# Altium PCB REB215_XPRO_Extension.PcbDoc (part 4 of 5) (continued)
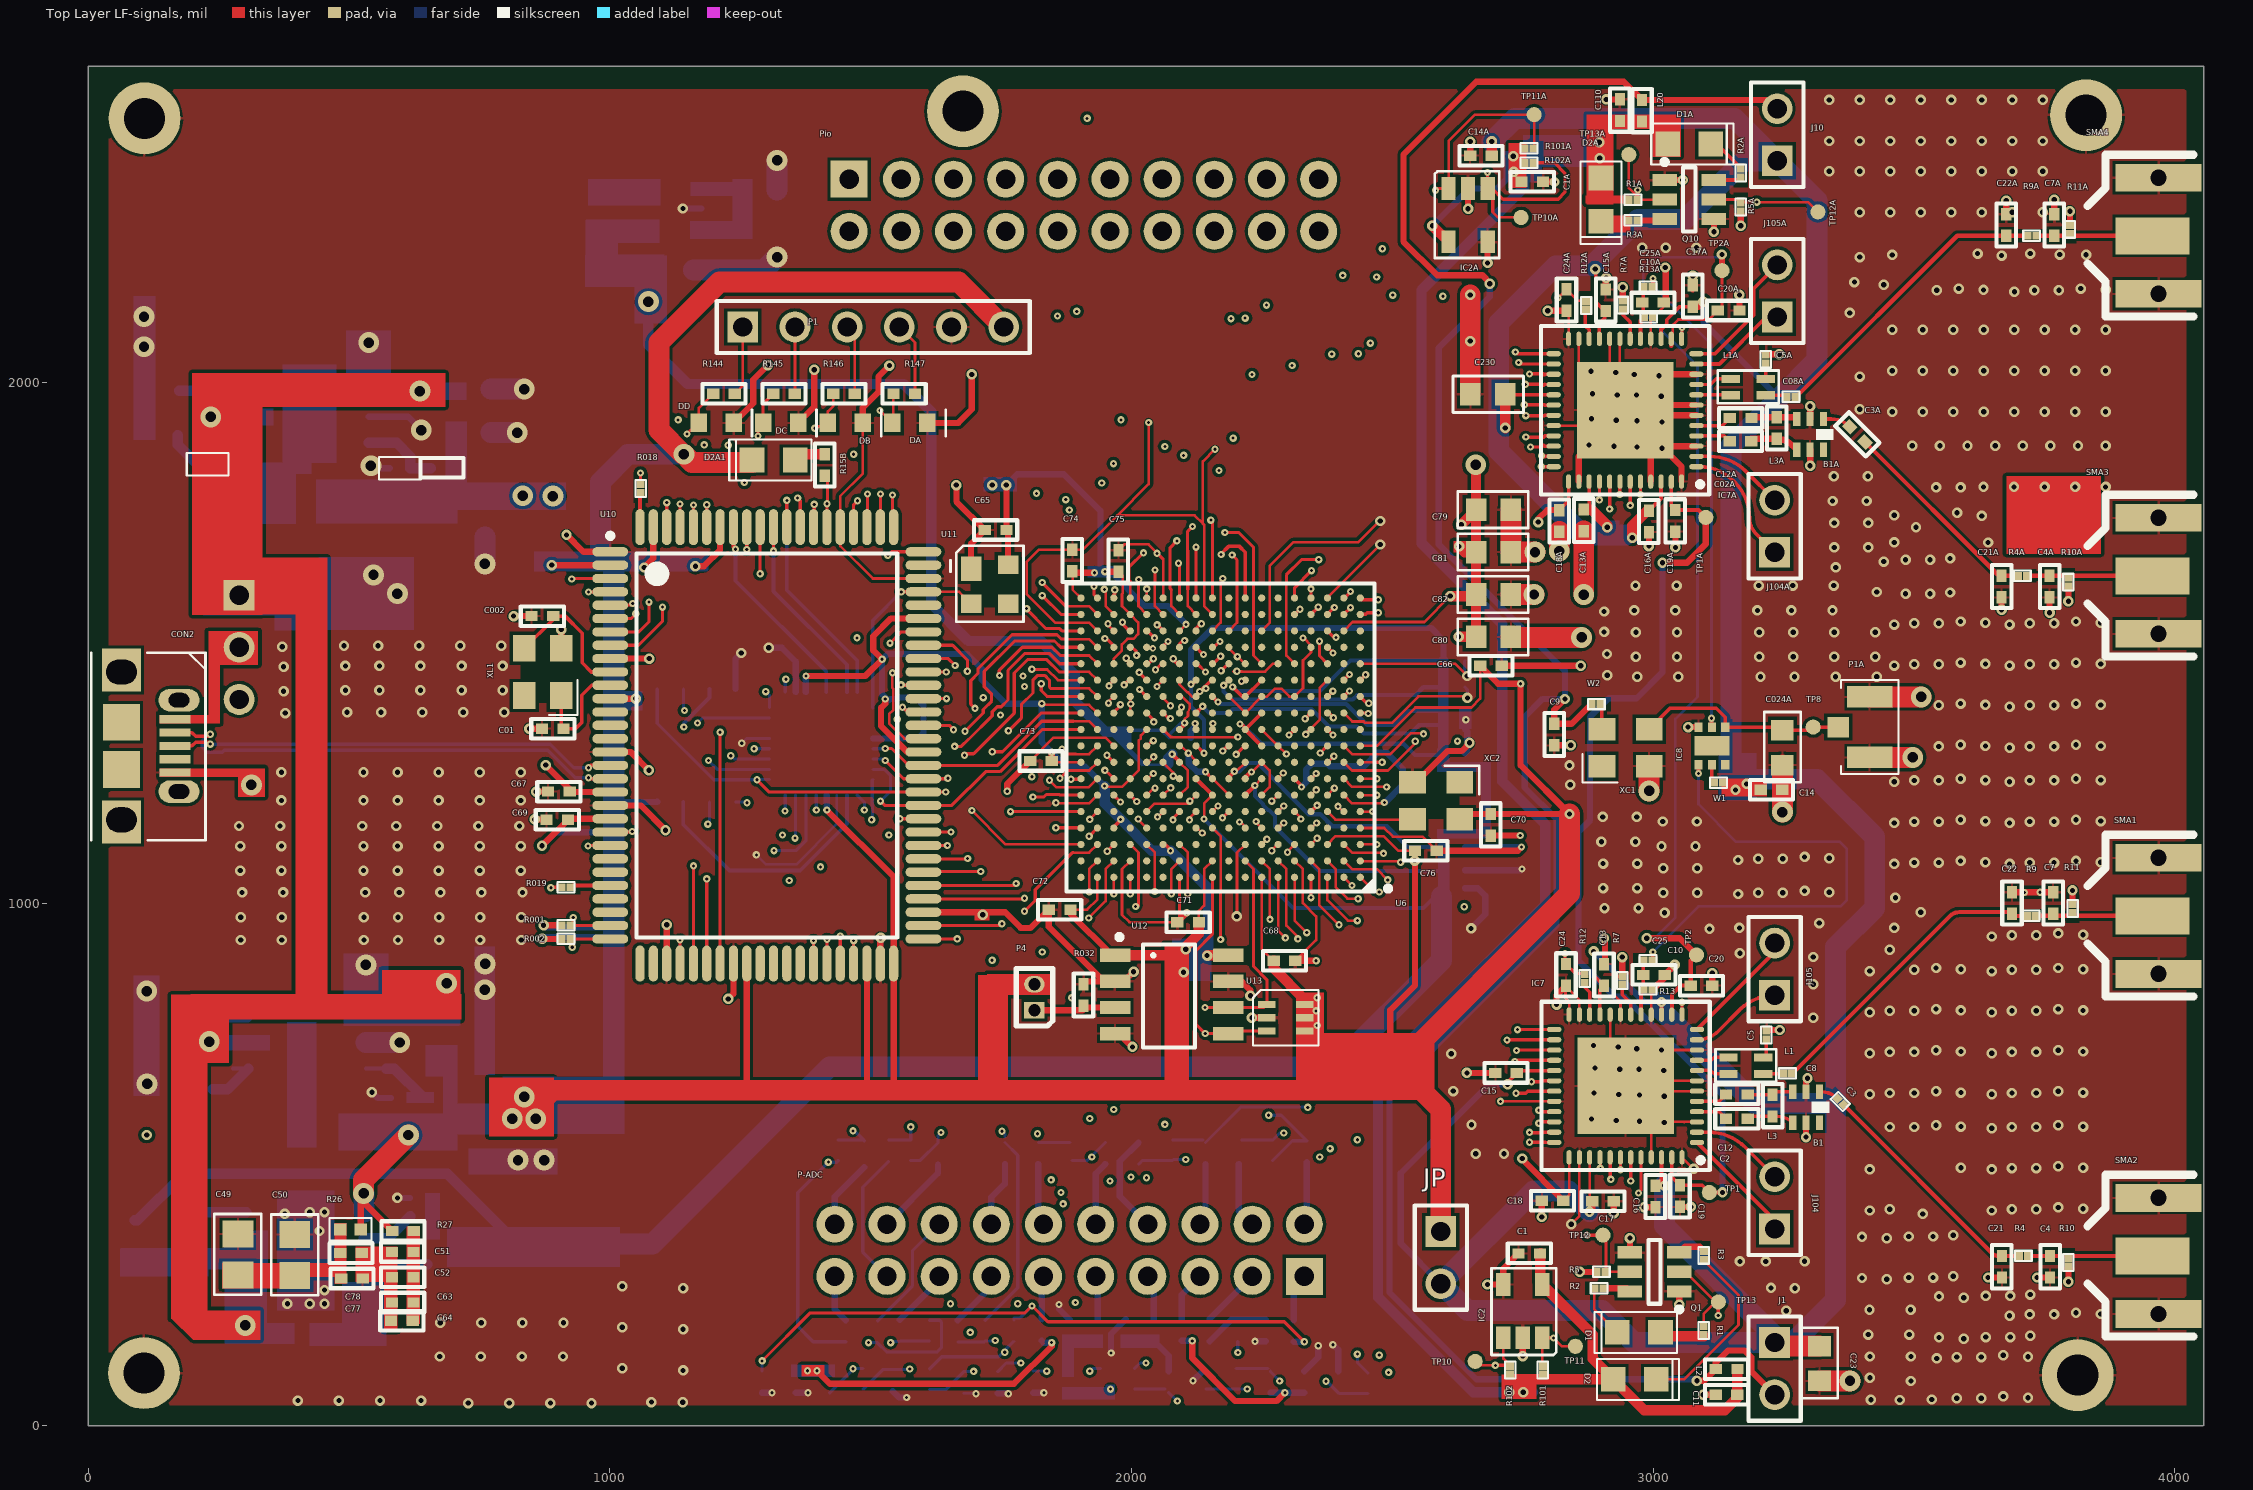
[diagram p0: Top Layer LF-signals view]
## Nets (pads, with @x,y where several pads share a name; then routed paths per layer and width w, separated by ;. In a path a pad name is that pad's centre, name@x,y a point inside that pad or via, vN(x,y) a via of type N, cw(c..) or ccw(c..) an arc to the next point about the centre after c; other vN are vias at no path point) (continued)
  Mid-2 w6: v2(927,1622.88) 927,1601.42 1000.42,1528 1779.83,1528 1782.55,1525.28 1899.05,1525.28 1968,1594.24 v2(1968,1602)
RDY1: U6.U16 U10.4 | length 1140.9
  Top Layer LF-signals w5: v2@1950.45,1603 1950.45,1570.74 U6.U16@1966.19,1554.99
  Top Layer LF-signals w6: v2@962,1598 v2(959,1598) 959.29,1598.29 U10.4@1000.8,1598.29
  Mid-2 w6: v2(959,1598) 1017.09,1539.91 1784.76,1539.91 1787.48,1537.19 1882.19,1537.19 v2(1948,1603)
RDY2: U6.U17 U10.5 | length 1089.6
  Top Layer LF-signals w5: 1874.26,1570.74 1918.95,1570.74 U6.U17@1934.7,1554.99
  Top Layer LF-signals w6: U10.5@1000.8,1572.7 1001.1,1573 1041,1573 v2(1044,1576) ; v2(1829,1616) 1874.26,1570.74
  Mid-2 w6: v2(1044,1576) 1070.24,1602.24 1477.76,1602.24 1527.62,1652.1 1557.93,1652.1 1613.31,1707.47 1800.18,1707.47 1829,1678.66 v2(1829,1616)
RDY3: U6.V17 U10.6 | length 988.6
  Top Layer LF-signals w6: U10.6@1000.8,1547.11 1041.11,1547.11 v2(1050,1556) ; v2(1928,1609) 1928,1593.19 U6.V17@1934.7,1586.49
  Mid-2 w6: v2@1050,1551.81 v2(1050,1556) 1054.19,1551.81 1789.7,1551.81 1792.41,1549.1 1869.09,1549.1 1928,1608 v2(1928,1609)
RDY4: U6.U18 U10.7 | length 1102.8
  Top Layer LF-signals w6: U10.7@1000.8,1521.52 1055.85,1521.52 1075,1540.67 v2(1075,1578.5) ; v2(1829,1591) 1865.01,1554.99 U6.U18@1903.2,1554.99
  Mid-2 w6: v2(1075,1578.5) 1076,1578.5 1087.83,1590.33 1124,1590.33 1138.33,1576 1468.36,1576 1532.55,1640.19 1562.86,1640.19 1618.24,1695.57 1785.92,1695.57 1810.91,1670.58 1810.91,1609.1 v2(1829,1591)
RDY5: U6.T18 U10.8 | length 1118.6
  Top Layer LF-signals w6: U10.8@1000.8,1495.93 1054.93,1495.93 1101,1542 v2(1101,1569) ; v2(1799,1566) 1799,1565 1836.16,1527.84 1862.21,1527.84 1866.55,1523.5 U6.T18@1903.2,1523.5
  Mid-2 w6: v2@1101,1564.1 1473.29,1564.1 1537.48,1628.28 1572.28,1628.28 1622,1678 1786.65,1678 1799,1665.65 v2(1799,1566)
RF09_N: IC7.9 L1.4 | length 62.8
  Top Layer LF-signals w6.5: IC7.9@3084.06,700.22 3111.69,700.22 3117.22,705.75 L1.4@3144.54,705.75
RF09_P: IC7.8 L1.1 | length 63.8
  Top Layer LF-signals w6.5: IC7.8@3084.06,680.54 3084.98,681.46 3109.88,681.46 3117.09,674.25 L1.1@3144.54,674.25
RF09A_N: IC7A.9 L1A.4 | length 70.5
  Top Layer LF-signals w6.5: IC7A.9@3083.06,1995.69 3109.9,1995.69 3120.74,2006.53 L1A.4@3149.02,2006.53
RF09A_P: IC7A.8 L1A.1 | length 66.4
  Top Layer LF-signals w6.5: IC7A.8@3083.06,1976 3148.05,1976 L1A.1@3149.02,1975.03
RF24_N: C12.1 IC7.5 | length 61.3
  Top Layer LF-signals w6.5: IC7.5@3084.06,621.48 3126.5,621.48 C12.1@3139.85,634.83
RF24_P: C2.1 IC7.4 | length 61.4
  Top Layer LF-signals w6.5: IC7.4@3084.06,601.8 3126.42,601.8 C2.1@3139.85,588.37
RF24A_N: C12A.1 IC7A.5 | length 72.9
  Top Layer LF-signals w6.5: IC7A.5@3085.03,1914.97 IC7A.5@3083.06,1916.95 3132.69,1916.95 C12A.1@3147.19,1931.44
RF24A_P: C02A.1 IC7A.4 | length 68.2
  Top Layer LF-signals w6.5: IC7A.4@3083.06,1897.26 3136.74,1897.26 C02A.1@3147,1887
RXCLKA_N: IC7A.33 U6.M2 | length 1061.7
  Top Layer LF-signals w6.5: U6.M2@2407.14,1397.51 v2(2418,1408.37) ; v2(2756,1895) 2790.14,1895 2792.4,1897.26 IC7A.33@2809.43,1897.26
  Signal Layer 1 w5: v2(2418,1408.37) 2443.27,1408.37 2463.5,1428.61 2463.5,1455 2462.37,1456.14 2345.32,1456.14 2299.5,1501.96 2299.5,1513.97 2289.5,1523.97 2289.5,1659.75 2522.42,1892.67 2753.67,1892.67 v2(2756,1895) v2@2756,1892.67
RXCLKA_P: IC7A.34 U6.M3 | length 1101.7
  Top Layer LF-signals w6.5: U6.M3@2375.64,1397.51 v2(2386.13,1408) ; v2(2765,1876) 2787.14,1876 2790.56,1879.42 2792.4,1877.58 IC7A.34@2809.43,1877.58
  Signal Layer 1 w5: v2(2386.13,1408) 2401.13,1393 2442.74,1393 2474,1424.26 2474,1459.35 2466.72,1466.64 2349.67,1466.64 2310,1506.31 2310,1518.32 2300,1528.32 2300,1655.4 2526.77,1882.17 2746.83,1882.17 2753,1876 v2(2765,1876)
RXCLKN: IC7.33 U6.V4 | length 1458.9
  Top Layer LF-signals w6.5: v2(2344,1604) 2344.15,1603.85 U6.V4@2344.15,1586.49 ; v2(2781,604.45) 2783.66,601.8 IC7.33@2810.43,601.8
  Signal Layer 1 w5: v2(2344,1604) 2372.91,1632.91 2632.08,1632.91 2785.83,1479.16 2785.83,667.65 2799.93,653.54 2799.93,615 2789.39,604.45 v2(2781,604.45)
RXCLKP: IC7.34 U6.V5 | length 1531.7
  Top Layer LF-signals w6.5: U6.V5@2312.65,1586.49 2312.65,1606.5 v2(2345,1638.85) ; v2(2781,579.45) 2783.66,582.11 IC7.34@2810.43,582.11
  Signal Layer 1 w5: v2@2349.56,1643.41 2636.43,1643.41 2796.33,1483.51 2796.33,672 2810.43,657.89 2810.43,608.43 2781.46,579.45 v2(2781,579.45)
RXD0: U6.A8
RXD24A_N: IC7A.35 U6.L4 | length 1406.8
  Top Layer LF-signals w6.5: v2(2333,1355) 2344.02,1366.02 U6.L4@2344.15,1366.02 ; v2(2786,1859) 2790.61,1859 2792.06,1857.55 2792.4,1857.89 IC7A.35@2809.43,1857.89
  Signal Layer 1 w5: v2(2333,1355) 2315.01,1355 2273.08,1396.93 2273.08,1427.26 2228,1472.34 2228,1484.36 2218,1494.36 2218,1689.37 2517.13,1988.5 2608.5,1988.5 2718.5,2098.5 2766.94,2098.5 2796.33,2069.11 2796.33,1869.33 v2(2786,1859)
RXD24A_P: IC7A.36 U6.K5 | length 1483
  Top Layer LF-signals w6.5: v2@2302,1325 v2(2302,1324) 2302.13,1324 U6.K5@2312.65,1334.52 ; v2(2785.66,1838.55) 2792.06,1838.55 2792.4,1838.21 IC7A.36@2809.43,1838.21
  Signal Layer 1 w5: v2(2302,1324) 2306.58,1328.58 2306.58,1348.58 2262.58,1392.58 2262.58,1422.91 2217.5,1467.99 2217.5,1480.01 2207.5,1490.01 2207.5,1693.72 2512.78,1999 2604.15,1999 2714.15,2109 2771.29,2109 2806.83,2073.46 2806.83,1858.61 2786.76,1838.55 v2(2785.66,1838.55)
RXD24N: IC7.35 U6.T3 | length 1341.9
  Top Layer LF-signals w6.5: U6.T3@2375.64,1523.5 2388.14,1511 v2(2392,1511) ; v2@2760.43,562.08 v2(2763,562.08) 2763.88,561.2 2788.56,561.2 2789.78,562.43 IC7.35@2810.43,562.43
  Signal Layer 1 w5: v2(2392,1511) 2411.08,1491.92 2647.93,1491.92 2679,1460.85 2679,604 2725.17,557.83 2758.75,557.83 v2(2763,562.08)
RXD24P: IC7.36 U6.R3 | length 1335.6
  Top Layer LF-signals w6.5: U6.R3@2375.64,1492 v2(2386.51,1481.14) ; v2@2763,546.83 v2(2763,543.08) 2793.06,543.08 2793.4,542.74 IC7.36@2810.43,542.74
  Signal Layer 1 w5: v2(2386.51,1481.14) 2386.51,1482.51 2387.59,1481.42 2643.58,1481.42 2668.5,1456.5 2668.5,599.65 2720.82,547.33 2758.75,547.33 v2(2763,543.08)
RXDN09: IC7.30 U6.V2 | length 1297.5
  Top Layer LF-signals w6.5: U6.V2@2407.14,1586.49 2408.2,1586.49 v2@2415.48,1593.77 ; v2(2767,659) 2785.63,659 2787.48,660.85 IC7.30@2810.43,660.85
  Signal Layer 1 w5: v2(2420,1599) 2439.56,1618.56 2632.28,1618.56 2774.5,1476.34 2774.5,677.11 2769.7,672.31 2769.7,661.7 v2(2767,659)
RXDN09A_N: IC7A.30 U6.N1 | length 1058.6
  Top Layer LF-signals w6.5: U6.N1@2438.63,1429.01 v2(2449,1439.37) ; v2(2753,1957) 2791.03,1957 2792.06,1955.97 2792.4,1956.32 IC7A.30@2809.43,1956.32
  Signal Layer 1 w5: v2(2449,1439.37) 2434.5,1424.87 2411.79,1424.87 2407.29,1429.37 2343.1,1429.37 2279,1493.47 2279,1505.48 2269,1515.48 2269,1668.24 2537.26,1936.5 2654.94,1936.5 2670.16,1951.72 2747.72,1951.72 v2(2753,1957)
RXDP09: IC7.31 U6.U2 | length 1356.6
  Top Layer LF-signals w6.5: U6.U2@2407.14,1554.99 2420,1567.85 v2(2420,1568) ; v2(2737,637) 2755.69,637 2759.86,641.17 IC7.31@2810.43,641.17
  Signal Layer 1 w5: v2(2420,1568) 2460.06,1608.06 2627.93,1608.06 2764,1471.99 2764,681.46 2749,666.46 2749,649 v2(2737,637)
RXDP09A_P: IC7A.31 U6.N2 | length 985.4
  Top Layer LF-signals w6.5: U6.N2@2407.14,1429.01 v2(2418,1439.87) ; v2(2756,1936) 2791.09,1936 2792.06,1936.97 2792.4,1936.63 IC7A.31@2809.43,1936.63
  Signal Layer 1 w5: v2(2418,1439.87) 2347.45,1439.87 2289.5,1497.82 2289.5,1509.83 2279.5,1519.83 2279.5,1663.89 2541.61,1926 2659.29,1926 2674.26,1940.97 2751.03,1940.97 v2(2756,1936)
S\S\_\S\E\L\: IC7.42 U6.C16 | length 1701.2
  Top Layer LF-signals w6: v2(1953.67,1101) 1953.15,1101 U6.C16@1966.19,1114.05 ; v2(2937.4,490.28) IC7.42@2937.4,514.2
  Mid-1 w6: v2(1953.67,1101) 1944.65,1091.97 1944.65,508.35 1958.68,494.32 v2(1958.68,469)
  Mid-2 w6: v2(1958.68,469) 1984,469 1994.78,458.22 2906.04,458.22 2911.17,453.1 2926.83,453.1 2937.91,464.17 2937.91,489.77 v2(2937.4,490.28)
SCL: R001.1 U6.B8 U10.29 U12.6 U13.1 | length 1826.5
  Top Layer LF-signals w5: U6.B8@2218.16,1082.55 2233.91,1066.8 2233.91,1019.17
  Top Layer LF-signals w6: v2(930,974.11) 930,962.71 925.82,958.53 U10.29@1000.8,958.53 ; v2@2139.42,800 v2(2140.88,801.45) U12.6@2185.36,801.45 2253.62,801.45 U13.1@2259.53,807.36 2259.53,854.66 2233.91,880.28 2233.91,1019.17
  Mid-2 w6: v2(930,974.11) 1144.84,759.28 1879.77,759.28 1921.95,801.45 v2(2140.88,801.45)
  Signal Layer 1 w6: v2@929,975.11 v2(930,974.11)
SCLK: IC7.41 U6.J14 | length 1799.6
  Top Layer LF-signals w5: U6.J14@2029.19,1303.02 2030.18,1303.02 2040.16,1313 v2(2042,1313)
  Top Layer LF-signals w6: IC7.41@2917.72,514.2 2917.72,473.28 v2(2919,472)
  Mid-1 w6: v2@2029,472 v2(2029,475) 2028.91,475.1 2028.91,1169.59 2026.09,1172.4 2026.09,1297.1 v2(2042,1313)
  Mid-2 w6: v2@2029,474.82 2904.92,474.82 2907.74,472 v2(2919,472)
SDA: R002.1 U6.A10 U10.30 U12.5 U13.3 | length 1811.5
  Top Layer LF-signals w6: v2@925.35,919.65 R002.1@925.35,933 925.41,932.94 U10.30@1000.8,932.94 ; U6.A10@2155.17,1051.06 2155.17,942.17 2123.59,910.59 2123.59,769.41 v2(2141.55,751.45) U12.5@2185.36,751.45 ; U12.5@2190.09,756.18 U13.3@2259.53,756.18
  Top Layer LF-signals w7: v2@925.35,919.65 v2(928,917)
  Mid-2 w6: v2(928,917) 1097.63,747.37 2137.46,747.37 v2(2141.55,751.45)
SNS0V95-N: P-ADC.20 R79.1 | length 132.7
  Bottom Layer LF-signals w12: P-ADC.20@1431.41,386 1431.41,438.63 R79.1@1488,495.22
SNS0V95-P: P-ADC.19@1431.41,286 R78.1 | length 92.9
  Bottom Layer LF-signals w12: P-ADC.19@1431.41,286 1431.41,222.91 R78.1@1452.51,201.81
SNS5V0-N: P-ADC.16 R75.1 | length 234.7
  Bottom Layer LF-signals w6: R75.1@1513,200.34 1580,267.34 1580,334.59 P-ADC.16@1631.41,386
SNS5V0-P: P-ADC.15 R74.1 | length 110.5
  Bottom Layer LF-signals w12: R74.1@1556,202.79 1622,268.79 P-ADC.15@1622,286
T0: U6.M17 U10.23 | length 1381.5
  Top Layer LF-signals w5: 1871.31,1413.26 1918.95,1413.26 U6.M17@1934.7,1397.51
  Top Layer LF-signals w6: v2@959.07,1112.07 U10.23@1000.8,1112.07 ; v2@1764.91,1332 1789,1356.1 1789,1382.19 1811.16,1404.35 1811.16,1415.52 1811.09,1415.59 1811.09,1428.77 1820.41,1438.08 1833.59,1438.08 1842.91,1428.77 1842.91,1415.72 1845.37,1413.26 1871.31,1413.26
  Signal Layer 1 w6: v2(958,1111) 958,1208.49 1203.06,1453.55 1493.77,1453.55 1554.41,1392.91 1577.6,1392.91 1652.41,1318.1 1654.22,1318.1 1654.41,1317.91 1667.59,1317.91 1673.49,1312 1744,1312 v2(1764,1332)
TCK: DA.2 R147.1 U6.E10 U8.16 | length 1902.4
  Top Layer LF-signals w5: DA.2@1543.66,1924.08 R147.1@1543.66,1978
  Top Layer LF-signals w6: v2(1518,1945.94) DA.2@1541.76,1922.18 ; U6.E10@2155.17,1177.04 v2(2165.93,1187.8)
  Mid-1 w6: v2(1518,1945.94) 1576.91,1887.04 1576.91,1161.66 1547.24,1132 v2(1535,1132) v2@1535,1130.1
  Mid-2 w6: v2@2164.79,1188.95 v2(2165.93,1187.8)
  Signal Layer 1 w6: v2(1336,1178) 1352.66,1178 1398.66,1132 v2(1535,1132) 1592,1132 1658.53,1198.53 1785.59,1198.53 1815.12,1169 1852.49,1169 1862.4,1178.91 2015.18,1178.91 2024.07,1187.8 2051.69,1187.8 2059.94,1179.56 2157.69,1179.56 v2(2165.93,1187.8)
  Bottom Layer LF-signals w6: v2@1336.4,1178.4 U8.16@1336.4,1208.31
TDI: DC.2 R145.1 U6.E11 U8.14 | length 1944.7
  Top Layer LF-signals w6: v2(1284,1897) 1284,1911.81 1294,1921.81 1294,1958.78 R145.1@1313.22,1978 ; v2@2113,1162.86 v2(2111.27,1161.13) 2111.27,1164.64 U6.E11@2123.67,1177.04
  Mid-1 w6: v2(1284,1897) 1284,1874.99 1311.58,1847.41 1311.58,1743.75 1329.7,1725.63 1329.7,1445.47 1321.6,1437.36 1321.6,1407.1 1306,1391.51 1306,1111 v2(1314.91,1102.1)
  Mid-2 w6: v2(1314.91,1102.1) 1634.41,1102.1 1640.41,1096.1 1653.59,1096.1 1703.59,1146.1 1787.93,1146.1 1803.74,1161.91 1861.59,1161.91 1877.33,1146.16 2072.25,1146.16 2079.41,1139 2089.14,1139 v2(2111.27,1161.13)
  Bottom Layer LF-signals w6: v2(1314.91,1102.1) 1356.76,1102.1 1375.8,1121.14 U8.14@1375.8,1208.31
TDO: DB.2 R146.1 U6.E13 U8.25 | length 1735.2
  Top Layer LF-signals w5: DB.2@1418.07,1922.18 1418.07,1944.07 1428.44,1954.44 R146.1@1428.44,1969.38
  Top Layer LF-signals w6: v2(1393,1912) 1396,1915 1410.89,1915 DB.2@1418.07,1922.18 ; v2(2050,1167) 2050.64,1167 U6.E13@2060.68,1177.04
  Mid-1 w6: v2(1331,1132) 1318,1145 1318,1371 1337.5,1390.5 v2(1337.5,1430.77) 1341.61,1434.88 1341.61,1730.56 1323.48,1748.68 1323.48,1842.48 v2(1393,1912)
  Signal Layer 1 w6: v2(1331,1132) 1348.08,1149.08 1354.57,1149.08 1390.65,1113 1589.84,1113 1630.74,1153.91 1660.59,1153.91 1684.4,1130.1 1861.59,1130.1 1877.19,1145.7 1925.54,1145.7 1925.7,1145.54 2028.54,1145.54 v2(2050,1167)
  Bottom Layer LF-signals w6: U8.25@1336.4,1406.31 1336.4,1429.67 v2(1337.5,1430.77)
TDX0: U10.40
TMS: DD.2 R144.1 U6.E12 U8.15 | length 2076.6
  Top Layer LF-signals w5: DD.2@1170.67,1922.18 1170.67,1950.67 R144.1@1198,1978
  Top Layer LF-signals w6: v2(1148,1901) 1169.18,1922.18 DD.2@1170.67,1922.18 ; v2@2080.27,1161.13 v2(2079.77,1161.13) 2079.77,1164.64 U6.E12@2092.18,1177.04
  Mid-1 w6: v2(1148,1901) 1174.91,1927.91 1408.09,1927.91 1420.16,1915.84 1420.16,1886.66 1395.5,1862 1395.5,1803.5 1375.91,1783.91 1375.91,1754.78 1355.07,1733.94 v2(1355.07,1126.1)
  Signal Layer 1 w6: v2(1355.07,1126.1) 1353.56,1127.6 1353.56,1129 1386.47,1096.1 1666.09,1096.1 1683.89,1113.89 1933.89,1113.89 1953,1133 2051.64,1133 v2(2079.77,1161.13)
  Bottom Layer LF-signals w6: v2@1356.1,1127.13 U8.15@1356.1,1208.31
TXCLKA_N: IC7A.25 U6.M1 | length 1294.3
  Top Layer LF-signals w6.5: U6.M1@2438.63,1397.51 2451.41,1384.74 v2(2454.99,1384.74) 2456.74,1384.74 v2@2457,1385 ; v2(2736,2058) 2739.26,2054.74 IC7A.25@2809.43,2054.74
  Signal Layer 1 w5: v2(2454.99,1384.74) 2473.96,1384.74 2482,1376.7 2482,1351.33 2466.13,1335.47 2444.69,1335.47 2408.15,1372 2371.48,1372 2258.5,1484.98 2258.5,1496.99 2248.5,1506.99 2248.5,1676.73 2528.77,1957 2646.45,1957 2723,2033.55 2723,2045 v2(2736,2058)
TXCLKA_P: IC7A.26 U6.L1 | length 1196.5
  Top Layer LF-signals w6.5: U6.L1@2438.63,1366.02 2452.98,1366.02 v2(2454,1365) ; v2(2742.3,2038) 2745.24,2035.06 IC7A.26@2809.43,2035.06
  Signal Layer 1 w5: v2@2454.99,1364.02 v2(2454,1365) 2467.32,1365 2471,1361.32 2471,1355.18 2462.82,1347 2448,1347 2412.5,1382.5 2375.83,1382.5 2269,1489.33 2269,1501.34 2259,1511.34 2259,1672.38 2533.12,1946.5 2650.8,1946.5 v2(2742.3,2038)
TXCLKN: IC7.25 U6.V1 | length 1141.6
  Top Layer LF-signals w6.5: U6.V1@2438.63,1586.49 2441.88,1583.24 v2(2473,1583.24) ; v2(2740,759) 2746,759 2746.28,759.28 IC7.25@2810.43,759.28
  Signal Layer 1 w5: v2(2473,1583.24) 2490.26,1583.24 2503.5,1570 2651.85,1570 2730.6,1491.25 2730.6,762.4 2734,759 v2(2740,759)
TXCLKP: IC7.26 U6.U1 | length 1165.2
  Top Layer LF-signals w6.5: U6.U1@2438.63,1554.99 2448.77,1554.99 2452.02,1558.24 v2(2473,1558.24) ; v2(2720,739) 2720,735.1 2720.7,734.4 2725.89,739.59 IC7.26@2810.43,739.59
  Signal Layer 1 w5: v2(2473,1558.24) 2473.46,1558.24 2483.22,1568 2490.65,1568 2499.15,1559.5 2647.5,1559.5 2720.1,1486.9 2720,1486.8 v2(2720,739)
TXD0: U6.A9
TXDA_N: IC7A.27 U6.L3 | length 1393.5
  Top Layer LF-signals w6.5: U6.L3@2375.64,1366.02 2377.98,1366.02 v2(2387,1357) v2@2386,1357 ; v2(2763,2016) 2789.03,2016 2791.03,2014 2792.4,2015.37 IC7A.27@2809.43,2015.37
  Signal Layer 1 w5: v2(2387,1357) 2388.05,1357 2418.7,1326.35 2418.7,1313.35 2405.35,1300 2376,1300 2358,1318 2358,1356.49 2238,1476.49 2238,1488.5 2228,1498.5 2228,1685.23 2521.28,1978.5 2612.64,1978.5 2613.14,1979 ; 2613.15,1979 2722.65,2088.5 2745.35,2088.5 2779,2054.85 2779,2032 v2(2763,2016)
TXDA_P: IC7A.28 U6.K3 | length 1335.5
  Top Layer LF-signals w6.5: U6.K3@2375.64,1334.52 v2(2386.16,1324) ; v2(2755,1996.03) 2788.01,1996.03 2790.03,1994 2792.06,1996.03 2792.4,1995.69 IC7A.28@2809.43,1995.69
  Signal Layer 1 w5: v2(2386.16,1324) 2394.16,1332 2398.2,1332 2408.2,1322 2408.2,1317.7 2401,1310.5 2380.35,1310.5 2368.5,1322.35 2368.5,1360.84 2248.5,1480.84 2248.5,1492.85 2238.5,1502.85 2238.5,1680.88 2525.63,1968 2616.99,1968 2617.49,1968.5 ; 2617.5,1968.5 2727,2078 2741,2078 2766.94,2052.06 2766.94,2042.14 2755.98,2031.17 2748.31,2023.5 2748,2023.5 2748,2003.03 v2(2755,1996.03)
TXDN: IC7.27 U6.U3 | length 1257.1
  Top Layer LF-signals w6.5: U6.U3@2375.64,1554.99 v2(2389,1568.35) ; v2(2738,719) 2738.91,719.91 IC7.27@2810.43,719.91
  Signal Layer 1 w5: v2(2389,1568.35) 2388,1567.35 2388,1544 2391.5,1540.5 2639.35,1540.5 2699.5,1480.35 2699.5,728.87 2719.87,708.5 2724.29,708.5 2728.79,713 2730.52,713 2736.52,719 v2(2738,719)
TXDP: IC7.28 U6.U4 | length 1285.9
  Top Layer LF-signals w6.5: U6.U4@2344.15,1554.99 2344.15,1555.15 v2(2358,1569) ; v2(2735,698) 2735,695 2740.22,700.22 IC7.28@2810.43,700.22
  Signal Layer 1 w5: v2(2358,1569) 2361,1569 2375.15,1554.85 2375.15,1542 2387.15,1530 2635,1530 2689,1476 2689,724.52 2715.52,698 v2(2735,698)
VCC: C001.1 C26.1 C31.1 C41.1 D001.2 JP1.1 U1.2 U1.6 U3.2 U3.6 U5.1
  other v3: 301.1,191.98 232,736 687,848 235.01,1933.55 636,1983
VCC0-AB: C49.1 C50.1 C77.1 C78.1 R26.2
VCC0-CD: C51.1 C52.1 C63.1 C64.1 R27.2
VCC_3V3: C13.1 C13A.1 C14.1 C14A.1 C15.1 C15A.1 C16.1 C16A.1 C17.1 C17A.1 C23.1 C230.1 IC7.15 IC7.21 IC7.29 IC7.39 IC7.46 IC7A.15 IC7A.21 IC7A.29 IC7A.39 IC7A.46 J1.1 J10.1 JP.2 W1.2 | length 8568.8
  Top Layer LF-signals w5: IC7.39@2878.35,514.2 C17.1@2878.35,425.08 ; C17.1@2883.27,430 C17.1@2878.35,425.08 ; C17A.1@3076,2144.66 3086.49,2144.66 ; C17.1@2878.35,425.08 2878,424.73 v1(2878,410) 2878.35,410.35 C17.1@2878.35,425.08
  Top Layer LF-signals w7: C230.1@2717.46,1976 IC7A.29@2809.43,1976 ; v1(2721,654) 2719,656 2719,656.1 C15.1@2738.91,676 ; C15.1@2743.44,680.54 IC7.29@2810.43,680.54 ; C13A.1@2867,1756 2877.35,1766.35 IC7A.39@2877.35,1809.66 ; v1(2886,909) 2886,863.25 C13.1@2905.9,843.34 2898.03,835.47 IC7.21@2898.03,787.82 ; v1(2889,2217) 2889.75,2216.25 2889.75,2154.25 2907,2137 2907,2123 2897.03,2113.03 IC7A.21@2897.03,2083.28 ; C16A.1@2992,1754 3015.14,1777.14 IC7A.46@3015.14,1809.66 ; IC7A.15@3015.14,2083.28 3015.14,2101.09 3026,2111.95 3026,2120 3050.64,2144.64 3068.35,2144.64 C17A.1@3076,2136.99 ; IC7.46@3016.14,514.2 3016.14,471.65 C16.1@3004.49,460 v1(3022,460) v1@3021.42,459.42 ; IC7.15@3016.14,787.82 v1(3016.14,812) ; v1@3095.06,2154.59 v1(3096.41,2154.59)
  Top Layer LF-signals w12: v1@2878.35,410.35 2883.27,415.27 C17.1@2883.27,430 ; 3086.49,2144.66 v1(3096.41,2154.59)
  Top Layer LF-signals w20: v1@2690,2462.41 v1(2690.71,2461.7) C14A.1@2690.71,2434.37 ; C230.1@2716.46,1977 v1(2716.46,1912.54) v1@2717,1912 ; C13A.1@2867,1756 2881.92,1756 2912,1725.92 v1(2912,1722) v1@2911.57,1722.43 ; v1(2960,1702) 2960,1724.81 2989.19,1754 C16A.1@2992,1754
  Top Layer LF-signals w40: J1.1@3239.83,152.47 C23.1@3319,152.47
  Bottom Layer LF-signals w12: JP.2@2593,272 2516,349 2516,484 2686,654 v1(2721,654) ; v1(2886,909) 2983,812 v1(3016.14,812) ; v1(3096.41,2154.59) 3096.41,2115.12 3239.85,1971.68 3239.85,1968.5
  Bottom Layer LF-signals w40: v1(2690.71,2461.7) 2735.01,2506 3156.5,2506 J10.1@3238,2424.5 ; v1(2878,410) 2838.3,449.7 2770.7,449.7 JP.2@2593,272 2644.23,220.78 2902.23,220.78 2963.7,159.3 J1.1@3233,159.3 ; 2947.55,1707.47 2864.53,1707.47 2704,1868 2704,2114 2813.39,2223.39 2882.61,2223.39 2971.27,2312.05 3060.61,2312.05 3173.07,2424.5 J10.1@3238,2424.5 ; v1(3016.14,812) 3016.14,796.23 3195.03,617.35 3349.8,617.35 ; v1(3022,460) 3022,383 3233,172 J1.1@3233,159.3 ; 3149.61,1227 3149.61,1878.26 3239.85,1968.5 3314.16,2042.82 3314.16,2348.34 J10.1@3238,2424.5 ; 3168,1239 3314.16,1239 3425,1128.17 3425,992.49 3349.8,917.29 3349.8,617.35 ; J1.1@3233,159.3 3268.3,159.3 3349.8,240.8 3349.8,617.35
  other v1: 3158,1218.6 3179,1230
VCC_B_3.3V: C9.1 J1.2 J10.2 L2.1 L20.1 W2.2 | length 4484
  Top Layer LF-signals w11.81: C9.1@2810.43,1345.34 2843.61,1345.34 W2.2@2881.44,1383.17
  Top Layer LF-signals w12: v1(2687,2189) 2687,2191 2673,2205 2586,2205 2521.28,2269.72 2521.28,2436.28 2661,2576 2943.97,2576 L20.1@2978.67,2541.3 J10.2@3221.2,2541.3 ; C9.1@2810.43,1345.34 2810.43,1372.34 v1(2831,1392.91) ; v1(3084,86) 3097.98,86 L2.1@3120.29,108.32 3120.29,120.29 3144,144 3175.25,144 3188.34,130.91 3188.34,103.96 J1.2@3233,59.3
  Bottom Layer LF-signals w12: v1(2687,2189) 2687,2164 2588.91,2065.91 2588.91,1689.07 2831,1446.98 v1@2831,1401 ; 2831,1423 v1@2831,1401 ; v1(3084,86) 3081.37,88.63 2661.35,88.63 2494.55,255.43 2494.55,638.55 2814.91,958.91 2814.91,1162.07 2754,1222.98 2754,1359.1 2787.8,1392.91 v1(2831,1392.91) v1@2831,1401
VCC_TARGET: C1.2 C1A.2 C11.2 C110.2 D1A.2 D2.2 D2A.2 IC2.4 IC2A.4 L2.2 L20.2 R1A.2 R101.2 R101A.2 R102.2 R102A.2 | length 4101.8
  Top Layer LF-signals w20: v1(2577,2300.02) IC2A.4@2607.86,2269.16 ; R102.2@2722,88.63 D2.2@2923.62,88.63 ; IC2.4@2783.34,274.65 C1.2@2783.34,330 ; IC2.4@2787.54,270.46 2884,173.99 2884,128.25 D2.2@2923.62,88.63 ; L2.2@3161.63,108.32 3161.63,53.63 3137,29 2983.25,29 D2.2@2923.62,88.63
  Bottom Layer LF-signals w12: v1(2577,2300.02) 2648.5,2371.52 2700.94,2371.52 v1(2732.71,2403.29)
  Bottom Layer LF-signals w20: v1(2732.71,2403.29) 2752.71,2423.29 ; 2769,64 2655,64 2472.64,246.36 2472.64,677.64 2793,998 2793,1153 2711,1235 2711,1536 2556,1691 2556,2176.78 2752.71,2373.49 2752.71,2423.29 ; v1(2897.71,2429.29) 2758.71,2429.29 2752.71,2423.29
  other v1: 2724,64 2751,64 2731.71,2433.29 2896.71,2460.29
VIN: JP1.3
VSNS5V0-N: P-ADC.14 R73.1 | length 126
  Bottom Layer LF-signals w12: P-ADC.14@1731.41,386 1731.41,437.7 1757.44,463.72 R73.1@1757.44,501.27
VSNS5V0-P: P-ADC.13 R72.1 | length 110.8
  Bottom Layer LF-signals w12: R72.1@1667.16,201.81 1731.41,266.06 P-ADC.13@1731.41,286
VSNSVU-N: P-ADC.18 R77.1 | length 155.1
  Bottom Layer LF-signals w12: P-ADC.18@1531.41,386 1629,483.59 R77.1@1629,500.66
VSNSVU-P: P-ADC.17 R76.1 | length 259.5
  Bottom Layer LF-signals w6: P-ADC.17@1531.41,286 1485,332.41 1485,457 R76.1@1534,506
VUSB: CON2.1 JP1.2
pads on no net: B1.6 B1A.6 CON2. CON2.4 CON2.6 CON2.7 CON2.8 CON2.9 IC7.4.8 IC7.10@2986.61,611.64 IC7.11@2986.61,690.38 IC7.12@2906.89,689.39 IC7.13@2907.87,611.64 IC7.14@2947.24,611.64 IC7.16@2986.61,651.01 IC7.17@2907.87,651.01 IC7A.4.8 IC7A.10@2985.61,1907.1 IC7A.11@2985.61,1985.84 IC7A.12@2905.89,1984.86 IC7A.13@2906.87,1907.1 IC7A.14@2946.24,1907.1 IC7A.16@2985.61,1946.47 IC7A.17@2906.87,1946.47 IC8.0 IC8.6 P-ADC.19@1431.41,286 P-ADC.19@1431.41,386 P-ADC.19@1531.41,286 P-ADC.19@1531.41,386 P-ADC.19@1631.41,286 P-ADC.19@1631.41,386 P-ADC.19@1731.41,286 P-ADC.19@1731.41,386 P-ADC.19@1831.41,286 P-ADC.19@1831.41,386 P-ADC.19@1931.41,286 P-ADC.19@1931.41,386 P-ADC.19@2031.41,286 P-ADC.19@2031.41,386 P-ADC.19@2131.41,286 P-ADC.19@2131.41,386 P-ADC.19@2231.41,286 P-ADC.19@2231.41,386 P-ADC.19@2331.41,286 P-ADC.19@2331.41,386 Pio.19@1458.95,2289.4 Pio.19@1458.95,2389.4 Pio.19@1558.95,2289.4 Pio.19@1558.95,2389.4 Pio.19@1658.95,2289.4 Pio.19@1658.95,2389.4 Pio.19@1758.95,2289.4 Pio.19@1758.95,2389.4 Pio.19@1858.95,2289.4 Pio.19@1858.95,2389.4 Pio.19@1958.95,2289.4 Pio.19@1958.95,2389.4 Pio.19@2058.95,2289.4 Pio.19@2058.95,2389.4 Pio.19@2158.95,2289.4 Pio.19@2158.95,2389.4 Pio.19@2258.95,2289.4 Pio.19@2258.95,2389.4 Pio.19@2358.95,2289.4 Pio.19@2358.95,2389.4 U1.8 U3.8 U6.A11 U6.A13 U6.A14 U6.A18 U6.B9 U6.B11 U6.B13 U6.B14 U6.B18 U6.C9 U6.C10 U6.C11 U6.D2 U6.D3 U6.D5 U6.D9 U6.D12 U6.D13 U6.D15 U6.E7 U6.E8 U6.E15 U6.E16 U6.F5 U6.G3 U6.G13 U6.H4 U6.H5 U6.H6 U6.H9 U6.H10 U6.H15 U6.J4 U6.J5 U6.J10 U6.J13 U6.J15 U6.J18 U6.K1 U6.K2 U6.K6 U6.K9 U6.K15 U6.K16 U6.L5 U6.L6 U6.L9 U6.L10 U6.M4 U6.M6 U6.N4 U6.N5 U6.N6 U6.P2 U6.P4 U6.R1 U6.R2 U6.R5 U6.R6 U6.R7 U6.R8 U6.T1 U6.T4 U6.T5 U6.T6 U6.T8 U6.U6 U6.U7 U6.U8 U6.U9 U6.V6 U6.V7 U6.V9 U8.3 U8.22 U8.28 U8.30 U8.33 U10.13 U10.14 U10.15 U10.24 U10.25 U10.27 U10.28 U10.31 U10.32 U10.42 U10.43 U10.79 XC1.1 XC2.1 XL1.4
copper on no net:
  other v1: 112.19,557

## Polygon pours and split planes (outlines as drawn)
GND on Top Layer LF-signals "TOP" (solid, pour order 13): 39.37,39.39 39.37,2561.97 4022,2561.97 4022,39.39
GND on Bottom Layer LF-signals "BOTTOM" (solid, pour order 12): 36.37,49.48 36.37,2572.06 4023,2572.06 4023,49.48
GND on Signal Layer 1 "S1" (solid, pour order 11): 39.37,39.39 39.37,2561.97 4022,2561.97 4022,39.39
GND on Mid-2 "M2" (solid, pour order 9): 39.37,39.39 39.37,2561.97 4024,2561.97 4024,39.39
GND on Mid-1 "M1" (solid, pour order 10): 39.37,39.39 39.37,2561.97 4024,2561.97 4024,39.39
GND on Internal Plane 1 (split plane): 4035.64,20.1 20.1,20.1 20.1,2585.9 4035.64,2585.9

## Other copper
Top Layer LF-signals:
  region net VCC: 228.81,191.81 187.8,232.81 160,205 201,164
  rectangle net VCC: 159,204 229,826.47
  rectangle net VCC: 201,164 330,221
  rectangle net VCC: 563,793 584,873.8
  rectangle net VCC: 331,1554.85 459,1663.89
  rectangle net VCC: 397,807.36 459,1605
  rectangle net VCC: 196,695 270,827
  rectangle net VCC: 196,778 715.76,827
  rectangle net VCC: 584,827 714,873.8
  rectangle net VCC: 199,1554 334,1962
  rectangle net VCC: 199,1891 269,2015.37
  rectangle net VCC: 199,1952.88 685,2018
  rectangle net NetD2A_1: 2877,2286.95 2957,2320
  rectangle net GND: 512,275 571.6,343
  rectangle net GND: 567,181 592.83,343
  rectangle net VCC0-CD: 610,195 636,382
  rectangle net VCC0-AB: 414.3,285 491,312
  rectangle net VCC0-AB: 472.12,271 495,388
  rectangle net VCC0-AB: 257,263.1 425,312
  rectangle net VUSB: 137,1345.99 253,1362
  rectangle net VUSB: 230.25,1347 253,1505.84
  rectangle net VUSB: 230.25,1458 326,1523.5
  region net 1V8: 2114.3,1377.89 2110.64,1379.22 2106.06,1366.64 2109.72,1365.31
  rectangle net VCC_3V3: 3131,1206 3218,1240
  rectangle net 2V5: 2617,1674 2644.19,1696
  rectangle net 3V3: 2315,626 2369,830
  rectangle net VCC_TARGET: 2923.62,2486 3053,2513
  rectangle net VCC_TARGET: 2999,2432 3053,2512
  rectangle net VCC_TARGET: 2870,2343 2955,2358
  rectangle net VCC_TARGET: 2872,2341 2923.62,2513
  rectangle net VCC_TARGET: 2722.65,2372.17 2757,2459
  rectangle net 3V3: 768,554 893,667
  rectangle net 3V3: 2063,632 2110.26,924
  rectangle net 3V3: 1723,825 1844.91,866
  rectangle net 3V3: 1706,642.91 1763.43,864
  rectangle net 3V3: 2315,624 2581,753
  rectangle net GND: 137,1243.53 333,1260
  rectangle net GND: 287,1205 339,1260
  rectangle net GND: 1699,967.89 1727.92,990
  rectangle net NetR45_2: 1367,94 1412,116
  rectangle net GND: 3677,1671.2 3858.27,1819.98
  rectangle net VCC_TARGET: 2709.84,51 2776,98
  rectangle net GND: 2324,895 2331.41,903
  pour cut-out: 1875,1613.6 1875.45,1614.05 2466.19,1614.05 2466.19,1023.5 1875.64,1023.5 1875.64,1614.05
  pour cut-out: 2538.72,1233.43 2629.28,1233.43 2629.28,1162.57 2538.72,1162.57
  pour cut-out: 1692.3,1568.05 1692.3,1658.61 1763.17,1658.61 1763.17,1568.05
  pour cut-out: 836.01,1489.99 838.47,1487.53 909.34,1487.53 909.34,1387 907.79,1385.46 829.33,1385.46 829.33,1483.31
Mid-1:
  pour cut-out: 1875,1613.6 1875.45,1614.05 2466.19,1614.05 2466.19,1023.5 1875.64,1023.5 1875.64,1614.05
  pour cut-out: 2538.72,1233.43 2629.28,1233.43 2629.28,1162.57 2538.72,1162.57
  pour cut-out: 1692.3,1568.05 1692.3,1658.61 1763.17,1658.61 1763.17,1568.05
  pour cut-out: 836.01,1489.99 838.47,1487.53 909.34,1487.53 909.34,1387 907.79,1385.46 829.33,1385.46 829.33,1483.31
Mid-2:
  rectangle net 2V5: 793,1752 922,1815
  pour cut-out: 1875,1613.6 1875.45,1614.05 2466.19,1614.05 2466.19,1023.5 1875.64,1023.5 1875.64,1614.05
  pour cut-out: 2538.72,1233.43 2629.28,1233.43 2629.28,1162.57 2538.72,1162.57
  pour cut-out: 1692.3,1568.05 1692.3,1658.61 1763.17,1658.61 1763.17,1568.05
  pour cut-out: 836.01,1489.99 838.47,1487.53 909.34,1487.53 909.34,1387 907.79,1385.46 829.33,1385.46 829.33,1483.31
Signal Layer 1:
  rectangle net 3V3: 2092,859 2155,929.17
  pour cut-out: 1875,1613.6 1875.45,1614.05 2466.19,1614.05 2466.19,1023.5 1875.64,1023.5 1875.64,1614.05
  pour cut-out: 2538.72,1233.43 2629.28,1233.43 2629.28,1162.57 2538.72,1162.57
  pour cut-out: 1692.3,1568.05 1692.3,1658.61 1763.17,1658.61 1763.17,1568.05
  pour cut-out: 836.01,1489.99 838.47,1487.53 909.34,1487.53 909.34,1387 907.79,1385.46 829.33,1385.46 829.33,1483.31